# KiCad board RobotLegoController.kicad_pcb (continued)
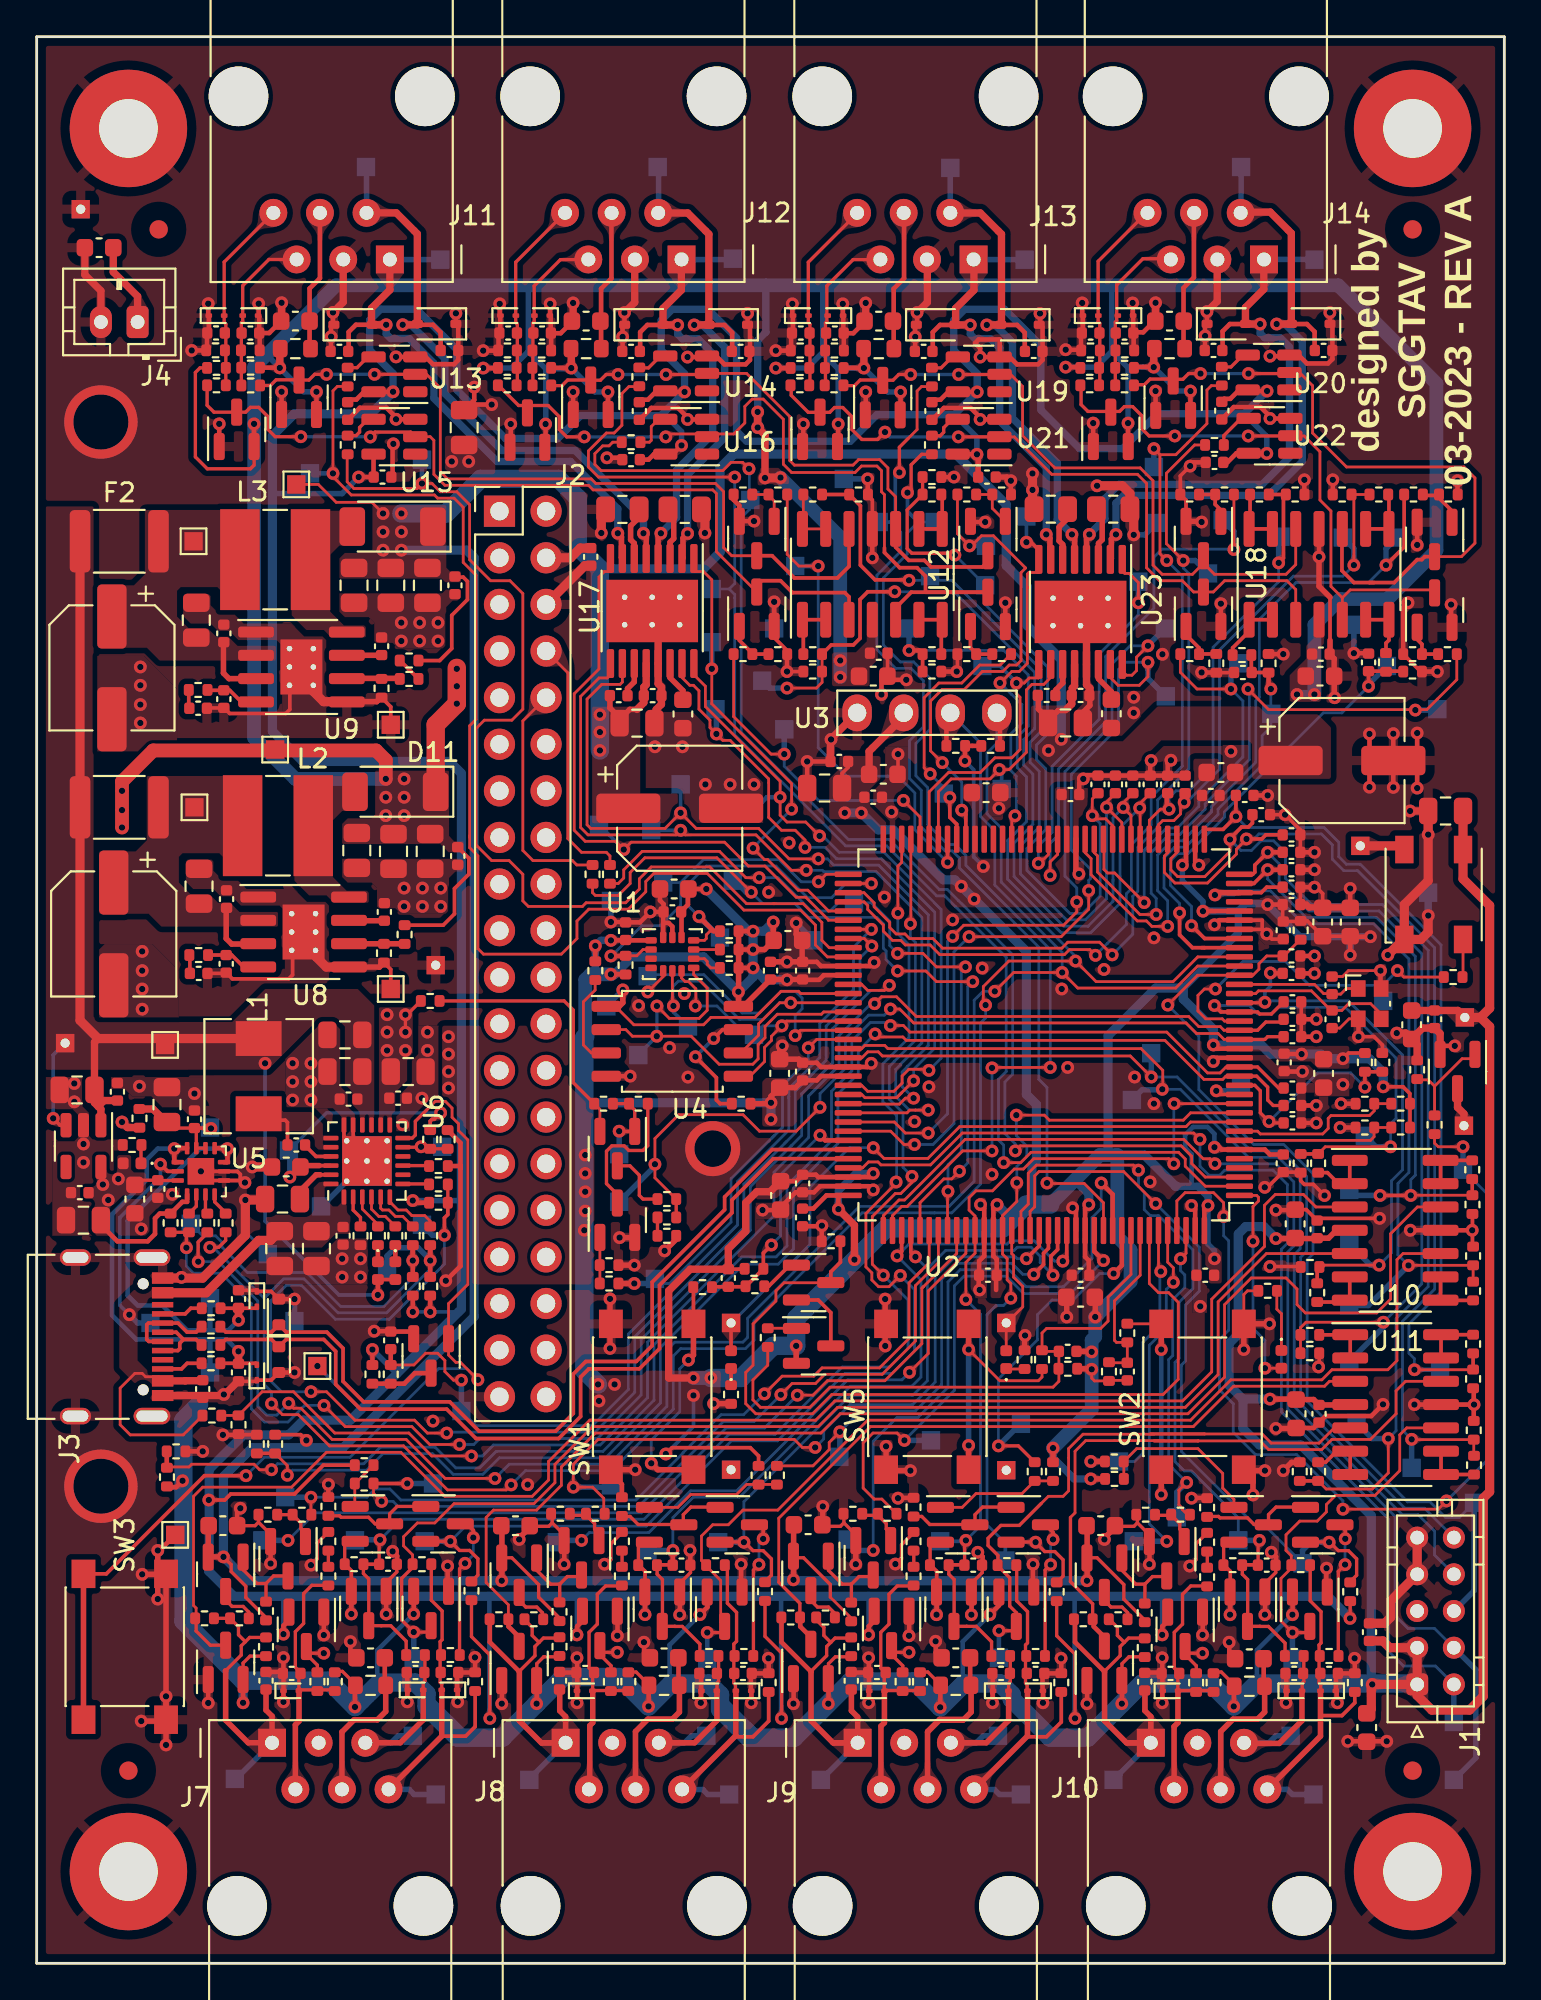
[diagram p0: board, top side]
## Routing (per net, layer and track width the routed paths; a pad name or vN(x,y) marks a point on that pad's centre or on a via; arc(x,y) is an arc through that point) (continued)
  L4 w0.4: v1(43.7,41.1) 43.7,42.1 44.65,43.05 v1(45.6,43.05) ; 71.6,55.95 68.85,55.95 v1(67.1,57.7) 67.05,57.75 65.9,57.75 65.5,57.35 ; 71.6,55.95 v1(71.6,54.95) ; 71.6,55.95 v1(72.7,55.95) ; 62.5,53.15 65.5,56.15 65.5,57.35 ; 30.2,53.9 30.45,54.15 v1(30.45,55.45) 30.75,55.75 v1(31.3,55.75) ; v1(55.4,28.08) 55.4,27.55 56.55,26.4 v1(57.46,26.4) ; v1(19.43,85.65) 19.43,86.65 18.15,87.92 18.15,89.55 18.75,90.15 20.7,90.15 22.9,87.95 22.9,85.75 25.55,83.1 28.4,83.1 29.65,84.35 34.03,84.35 v1(35.32,85.64) 35.32,86.64 34.04,87.91 34.04,89.54 34.64,90.14 36.59,90.14 38.15,88.58 38.15,83.5 38.7,82.95 44.35,82.95 45.8,84.4 50.03,84.4 v1(51.27,85.64) 51.27,86.64 49.99,87.91 49.99,89.54 50.59,90.14 52.54,90.14 52.55,90.15 52.75,90.15 54.74,88.16 54.74,84.66 56.85,82.55 59.2,82.55 61.1,84.45 65.83,84.45 v1(67.07,85.69) ; 62.15,42.35 63.3,42.35 63.85,41.8 v1(63.85,41.3) ; v1(63.57,57.34) 63.58,57.35 65.5,57.35
  L4 w0.5: v1(39.05,54.25) 39.7,53.6 v1(40.9,53.6) ; v1(39.05,54.25) 39.05,53.75 v1(38.25,52.95) 36.35,54.85 32.45,54.85 31.5,53.9 v1(31.3,53.9) ; v1(39.05,54.25) v1(39.05,56.25) ; 62.15,42.35 62.08,42.35 60.38,44.05 58.4,44.05 ; v1(44.05,62.7) v1(44.95,62.7) 45.88,61.78 46.69,61.78 49.42,59.05 50.05,59.05 53.95,55.15 53.95,47.35 54.49,46.81 54.49,43.75 54.25,43.51 54.25,41.65 ; v1(52.35,41.35) 53.07,40.62 53.22,40.62 ; 58.4,44.05 57.92,44.05 ; 58.4,44.05 57.92,44.05 ; 58.4,44.05 58.4,50.55 61,53.15 62.5,53.15 62.5,52.55 64.14,50.91 v1(64.14,50.05) 66.75,50.05 67.25,49.55 v1(68.95,49.55) 70,49.55 70.25,49.3 v1(71.2,49.3) 72.65,49.3 73.4,48.55 v1(73.4,47.77) ; 57.92,44.05 56.58,42.72 57.35,41.95 v1(57.35,41.35) ; v1(71.59,18.8) 70.39,20 10.75,20 9.38,21.37 9.38,22.48 9.4,22.5 9.4,26.92 11.28,28.8 13.74,28.8 14.54,29.6 17.1,29.6 23.15,35.65 23.15,64.85 22.5,65.5 14.5,65.5 12.85,67.15 12.85,83.25 14.05,84.45 18.23,84.45 v1(19.43,85.65) ; v1(40.15,56.75) 39.65,56.25 v1(39.05,56.25) ; v1(40.03,46) v1(40.03,46.9) 29.85,46.9 ; v1(39.05,56.25) 38.8,56.25 v1(36.5,58.55)
  L4 w0.75: 29.9,50.5 29.9,53.6 30.2,53.9 v1(31.3,53.9) ; 55.25,41.35 57.95,44.05 58.9,44.05 58.9,44.05 58.9,39.6 59.63,38.87 59.63,37.15 v1(57.7,35.22) 57.7,34.15 57.51,33.96 v1(57.51,32.37) 57.51,30.19 v1(55.4,28.08) ; v1(35.8,31.9) 38.4,31.9
  L4 w1: 55.25,41.35 53.95,41.35 52.65,40.05 46.3,40.05 41.4,35.15 v1(41.4,33.65) 40.15,33.65 38.4,31.9 v1(36.75,31.9) ; 29.9,50.5 29.85,50.45 29.85,32.3 v1(30.6,31.55)
  vias: v1(3.61,42.44) v1(3.9,41.6) v1(4.45,42.75) v1(22.45,50.5) v1(22.45,49.55) v1(22.45,48.6) v1(22.45,47.7) v1(29.85,39.95) v1(29.9,44.05) v1(29.9,43.05) v1(29.9,42.05) v1(29.9,41) v1(30.65,30.65) v1(31.5,31.55) v1(50.4,58.7) v1(51.1,58)
+4V: length 66.6
  L1 w0.18: 3.45,45.72 U7.1
  L1 w0.2: v1(0.9,46.05) 1.28,45.67 U7.3 ; D9.2 D8.2
  L1 w0.25: 18.6,37.2 18.6,36.43 v1(18.6,36.42)
  L1 w0.4: 3.35,46.7 3.15,46.9 C61.1 3.15,50.2 3.35,50.4 ; 3.35,46.7 3.67,47.02 C62.1 ; 3.35,46.7 3.5,46.55 U7.1
  L1 w0.5: 2.36,78.25 2.36,51.39 3.35,50.4 L1.2
  L4 w0.2: v1(18.6,36.42) 16.48,36.42 12.45,40.45 v1(12.45,49.05) ; v1(0.9,46.05) 0.9,49.5 TP28.1
+5V: length 608.5
  L1 w0.18: 28.51,16.7 27.64,16.7 27.26,16.33 27.26,15.43 ; 59.16,15.43 59.16,16.33 59.54,16.7 60.41,16.7 ; D13.2 11.25,16.36 11.63,16.74 R74.2 ; 43.16,15.43 43.16,16.33 43.54,16.7 44.41,16.7 ; 65.28,15.17 64.57,15.88 64.16,15.88 ; 17.38,15.2 16.66,15.91 16.25,15.91 ; 49.28,15.17 48.57,15.88 48.16,15.88 ; 32.26,15.88 32.68,15.88 33.38,15.17 ; R188.2 8.9,86.95 8.65,86.7 8.65,82.1 9.3,81.45 11.65,81.45 11.85,81.65 D47.2
  L1 w0.2: R59.2 22.16,56.58 22.78,57.19 22.78,58.58 23.56,59.36 23.56,60.22 C72.1
  L1 w0.25: 65.28,15.17 65.26,15.14 65.26,13.93 ; 56.89,86.99 v1(56.09,86.99) ; v1(51.95,19) 52.46,19.51 52.46,20.27 ; v1(17.35,13.97) 17.35,15.17 17.38,15.2 ; R174.2 13.24,86.96 v1(13.25,86.95) ; 7.1,25.95 7.6,25.95 v1(7.95,26.3) ; 27.26,15.43 27.26,14.17 ; 43.16,15.43 43.16,14.17 ; 41.09,86.94 v1(40.29,86.94) ; v1(60.89,86.99) 60.88,87 59.81,87 ; v1(45.09,86.94) 45.08,86.95 44.01,86.95 ; 43.69,82.63 v1(43.69,83.89) ; 28.06,86.95 29.13,86.95 v1(29.14,86.94) ; 59.16,15.43 59.16,14.17 ; 68.46,20.27 68.46,19 ; 49.26,13.93 49.26,15.14 49.28,15.17 ; 47.09,84.38 v1(47.09,85.64) ; 36.56,20.27 36.56,19.41 v1(36.15,19) ; 15.25,84.39 v1(15.25,85.65) ; 25.14,86.94 v1(24.34,86.94) ; 27.74,82.63 v1(27.74,83.89) ; 59.49,82.68 v1(59.49,83.94) ; 31.14,84.38 v1(31.14,85.64) ; 20.55,20.3 v1(20.55,19.04) ; 62.89,84.43 v1(62.89,85.69) ; 11.85,82.64 v1(11.85,83.9) ; 33.36,13.93 33.36,15.14 33.38,15.17 ; D13.2 v1(11.25,14.2)
  L1 w0.3: U11.4 71.58,30.43 C93.1 69.6,30.72 68.65,30.72 68.62,30.75 v1(67.23,30.75) ; U10.4 70.85,39.95 70.42,39.52 C113.1 69.78,39.5 v1(67.55,39.5)
  L1 w0.4: v1(39.3,84.55) v1(39.3,83.7) 39.7,83.3 v1(39.7,80.95) ; R28.2 5.59,45.55 4.95,45.55 v1(4.65,45.85) ; v1(60.89,86.99) 60.89,87.97 ; TP147.1 77.47,51.93 C182.1 74.96,51.93 74.95,51.92 ; v1(13.25,86.95) 13.25,87.92 ; v1(29.14,86.94) 29.14,87.91 ; v1(45.09,86.94) 45.09,87.91
  L1 w0.5: 78.7,51.55 TP147.1 ; 78.7,51.55 79.2,52.05 79.2,57.65 77.75,59.1 D65.3 C57.1 ; 78.7,51.55 79.2,51.05 79.2,25.7 78.85,25.35 78.85,14.55 78.1,13.8 76.05,13.8 75.25,14.6 J1.1 ; C2.1 72.75,13.88 72.75,15.2 J1.1 ; C10.1 29.63,77.13 29.1,76.6 J2.4 27.8,76.57 ; v1(40.55,80.97) 40.52,80.95 v1(39.7,80.95) ; C1.2 73.38,17.57 73.75,17.2 J1.3 J1.1 ; 27.78,79.13 J2.2
  L1 w0.75: v1(4.65,61.9) 4.65,64.4 6.35,66.1 18.5,66.1 19.03,65.57 v1(19.03,64.55)
  L1 w1: 22.9,70.6 v1(22.9,68.65) 21.75,67.5 21.75,63.8
  L3 w1: v1(22.9,68.65) v1(22.9,70.55) 22.9,71.3 23.4,71.8 23.4,81.07 ; 23.4,81.07 23.55,81.22 v1(23.55,81.85) v1(22.62,81.85) 23.4,81.07 ; 23.4,81.07 23.57,80.9 27.21,80.9 27.77,80.34 J2.2 J2.4
  L4 w0.2: 7.2,25.9 8,25.9
  L4 w0.25: 34.5,15.15 34.5,17.35 v1(36.15,19) ; 50.48,15.15 50.48,17.53 v1(51.95,19) ; 18.56,15.2 18.56,17.05 v1(20.55,19.04) ; v1(68.45,19) 66.51,17.06 66.51,15.2
  L4 w0.3: 27.75,86.9 27.75,83.9 v1(27.74,83.89) ; 27.75,86.9 26.8,87.85 ; 27.75,86.9 29.1,86.9 v1(29.14,86.94) 30.44,85.64 v1(31.14,85.64) ; 26.8,87.85 26.8,91.53 ; 26.8,87.85 25.89,86.94 v1(24.34,86.94) ; v1(47.09,85.64) 46.39,85.64 v1(45.09,86.94) 43.74,86.94 43.69,86.89 ; v1(62.89,85.69) 62.19,85.69 v1(60.89,86.99) 59.46,86.99 ; v1(59.49,83.94) 59.49,86.96 59.46,86.99 ; 43.69,86.89 v1(43.69,83.89) ; 43.69,86.89 42.85,87.73 42.85,87.8 ; 12.58,87.72 12.58,87.62 v1(13.25,86.95) 14.55,85.65 v1(15.25,85.65) ; v1(56.09,86.99) 57.74,86.99 58.6,87.85 ; 42.85,87.8 41.99,86.94 v1(40.29,86.94) ; 42.85,87.8 42.85,91.53 ; 59.46,86.99 58.6,87.85 ; 58.6,87.85 58.6,91.53
  L4 w0.4: 39.75,91.45 39.75,88.9 39.3,88.45 v1(39.3,83.7)
  L4 w0.5: 27.26,14.17 27.26,14.16 28.47,15.36 31.93,15.36 33.36,13.93 ; 68.45,18.99 68.46,19 ; 22.49,13.24 23.29,12.45 25.55,12.45 v1(27.25,14.15) ; 72.75,15.2 66.51,15.2 ; 72.75,15.2 72.75,24.4 68.9,28.25 66.65,28.25 65.75,29.15 65.75,30.75 ; 72.75,15.2 J1.1 ; 23.19,12.55 20.54,15.2 18.56,15.2 17.35,13.99 v1(17.35,13.97) ; 38.77,12.92 39.24,12.45 41.45,12.45 v1(43.15,14.15) ; 39.19,12.5 36.54,15.15 34.5,15.15 v1(33.35,14) ; 65.75,30.75 v1(67.23,30.75) ; 65.75,30.75 65,31.5 65,33.78 65.5,34.28 65.5,39.75 65.9,40.15 66.9,40.15 v1(67.55,39.5) ; v1(11.25,14.2) 11.25,15.4 ; 43.16,14.17 44.36,15.36 47.83,15.36 49.26,13.93 50.48,15.15 52.45,15.15 55.1,12.5 57.5,12.5 v1(59.15,14.15) ; v1(69.65,69.15) v1(68.7,69.15) ; 67,15.2 66.45,15.2 v1(65.25,14) 63.88,15.36 60.36,15.36 59.16,14.17
  L4 w0.75: v1(19.03,64.55) 14.1,64.55 11.85,66.8 v1(11.85,83.9) 11.85,86.98 16.32,91.45 70.95,91.45 76.3,86.1 76.3,77.01 73.64,74.35 71.05,74.35 69.65,72.95 v1(69.65,69.15) ; v1(43.8,70.1) v1(43.8,71) 43.8,77.72 v1(40.55,80.97)
  L4 w1: 8.85,30.45 8,29.6 8,18.65 11.25,15.4 15.92,15.4 v1(17.35,13.97) 18.68,15.3 20.63,15.3 21.25,14.68 21.25,14 22.95,12.3 25.4,12.3 v1(27.25,14.15) 28.7,15.6 31.75,15.6 v1(33.35,14) 34.6,15.25 36.63,15.25 37.25,14.63 37.25,13.85 38.8,12.3 41.29,12.3 44.36,15.36 47.84,15.36 v1(49.25,13.95) 50.55,15.25 52.53,15.25 53.15,14.63 53.15,14.4 55.25,12.3 57.3,12.3 v1(59.15,14.15) 60.25,15.25 64,15.25 v1(65.25,14) 66.5,15.25 75.2,15.25 J1.1
  vias: v1(4.65,63.9) v1(4.65,62.85) v1(19.03,63.55) v1(19.03,62.55) v1(20.03,64.55) v1(20.03,63.55) v1(20.03,62.55) v1(22.9,69.6) v1(72.8,15.2)
+9V: length 242
  L1 w0.15: 44.41,18.8 43.26,19.95 ; v1(18.88,79.02) 18.27,79.62 16.32,79.62 15.35,80.6 TP43.1
  L1 w0.18: 25.36,22.1 25.9,22.1 27.36,20.64 27.36,19.95 28.51,18.8 28.51,18.7 ; 12.5,18.74 12.5,18.84 11.4,19.94 11.4,20.55 10.6,21.35 10.6,21.73 v1(10.18,22.15) ; 43.26,19.95 43.26,20.64 41.8,22.1 41.26,22.1 ; 57.26,22.1 57.8,22.1 59.26,20.64 59.26,19.85 60.4,18.71 R127.2 ; 9.89,22.14 Q5.2 ; 44.41,18.7 44.41,18.8
  L1 w0.2: 22.8,75.55 23.25,75.55 23.48,75.31 23.48,74.32 22.62,73.47 22.62,71.66 21.97,71 R60.2 ; v1(14.7,28.5) 14.39,28.81 R67.2
  L1 w0.3: Q5.2 9.36,22.15 v1(10.18,22.15) ; C150.1 31.25,68.42 31.78,67.89 C147.1 31.78,67.79 32.32,68.34 32.72,68.34 ; 25.36,22.11 25.36,20.85 ; 54.6,69.03 54.6,68.36 55.13,67.83 55.13,67.53 55.13,67.72 55.68,68.28 56.08,68.28 56.45,68.64 56.45,69.5 56.58,69.62 56.58,70.78 ; 25.38,23.81 25.36,23.79 25.36,22.2 ; 57.26,22.2 57.26,23.79 57.28,23.81 ; 41.28,23.81 41.26,23.79 41.26,22.2 ; 57.26,22.11 57.26,20.85 ; 9.35,22.24 9.35,23.83 C90.1 ; 41.26,22.11 41.26,20.85
  L1 w0.4: 56.17,68.38 56.42,68.63 C171.1 56.45,69.13 56.45,69.5 56.57,69.62 U23.12 ; 32.72,68.34 33.09,68.71 C146.1 33.09,69.56 33.22,69.69 33.22,70.84
  L4 w0.5: v1(19.88,77.02) 23.44,77.02 23.85,76.6 23.85,35.25 16.7,28.1 11.75,28.1 10.18,26.53 v1(10.18,22.15) 11.48,20.85 v1(25.35,20.85) 41.2,20.85 v1(41.25,20.9) 41.3,20.85 v1(57.25,20.85) ; v1(55.85,66.71) 55.85,71.05 54,72.9 54,75.03 52.85,76.17 52.85,79.5 50.1,82.25 38,82.25 37.25,81.5 37.25,76.9 36.35,76 30.7,76
  L4 w1: v1(19.88,79.02) 22.31,79.02 24.2,80.9 28.45,80.9 29.5,79.85 29.5,77.2 30.7,76 v1(30.7,66.1)
  vias: v1(18.88,78.02) v1(18.88,77.02) v1(19.88,78.02) v1(30.7,68.05) v1(30.7,67.1) v1(55.15,66.1)
GND: length 595.2
  L1 w0.15: v1(73.25,54.1) 71.5,54.1 71.18,53.78 C21.2 ; C22.2 71.03,50.97 71.54,51.47 Y2.2 ; 69.82,50.57 v1(69.75,50.5) ; R24.1 66,36.65 65.8,36.45 SW2.1 ; C133.2 C139.2 ; 68.88,37.97 R122.2
  L1 w0.18: 44,24 44,24.42 ; 44,24 44.66,23.34 44.66,22.95 ; 44,24 43.81,23.81 42.84,23.81 ; 31.91,23.47 31.3,22.86 31.3,22 30.96,21.67 ; 60,24 59.81,23.81 58.84,23.81 ; 60,24 60,24.42 ; 60,24 60.66,23.34 60.66,22.95 ; 35.64,21.72 35.64,21.3 35.06,20.72 35.06,20.24 ; 63.81,23.47 63.2,22.86 63.2,22 62.86,21.67 ; 28.1,24 28.1,24.42 ; 28.1,24 27.91,23.81 26.94,23.81 ; 28.1,24 28.76,23.34 28.76,22.95 ; 12.09,24.04 11.9,23.85 C90.2 ; 12.09,24.04 R82.1 ; 12.09,24.04 12.75,23.38 Q7.2 ; 67.54,21.72 67.54,21.3 66.96,20.72 66.96,20.24 ; v1(46.81,21.76) 47.14,22.09 47.14,22.81 47.81,23.47 ; 50.96,20.24 50.96,20.72 51.54,21.3 51.54,21.72 ; 2.57,45.66 U7.2 ; v1(14.95,21.7) 15.29,22.04 15.29,22.9 R94.1 ; C103.2 19.63,21.33 19.05,20.75 D19.1
  L1 w0.2: R200.1 40.91,71.54 40.2,72.25 Q31.2 ; v1(46.95,65.9) 46.95,64.83 C35.2 ; 66.8,56.35 67.33,55.82 C18.1 ; 66.8,56.35 66.8,56.85 U2.31 ; 66.8,56.35 U2.30 ; C165.2 70.72,71.11 ; C163.2 65.26,70.34 R235.1 64.29,70.33 ; C141.1 46.38,70.16 C140.2 ; C117.2 C129.2 68.88,61.77 v1(68.05,62.6) C128.2 ; 70.5,72.1 70.5,74.45 ; 66.33,63.47 C118.2 ; R89.2 78.26,39.1 R123.2 ; 17.25,45.78 17.25,44.56 18,43.81 16.75,45.06 16.75,45.78 ; v1(50.15,70.4) 50.19,70.44 R201.1 ; v1(69.65,58.65) 69.75,58.65 70.1,58.3 C16.2 ; R62.1 19.3,54.17 TP44.1 ; v1(69.87,32.5) 69.91,32.54 R138.2 ; C58.2 C86.2 C97.2 ; U12.11 45.55,79.75 45.31,79.99 R182.2 ; v1(73.2,40.6) 69.92,40.6 C113.2 69.21,41.08 C112.1 ; v1(67.23,37.97) 68.88,37.97 ; R71.1 11.03,28.81 R70.1 ; 9.16,68.42 10.14,68.42 10.18,68.45 10.52,68.11 13.58,68.11 13.8,68.33 13.8,69.67 ; C48.2 11.94,36.68 D7.1 12.78,36.62 D5.2 ; C47.2 11.94,31.72 D6.1 12.78,31.78 D4.2 ; v1(66.94,42.29) 67.09,42.29 67.92,43.12 C23.1 68.87,43.12 R88.2 68.9,42.65 69.1,42.45 69.59,42.45 v1(70.2,41.84) ; R73.1 73.35,50.05 72.9,50.5 v1(72.05,50.5) ; R236.1 75.44,70.4 R232.2 ; Q33.2 62.65,79.74 R221.1 62.34,81.06 v1(62.88,81.6) ; TP45.1 19.3,68.48 R65.1 ; 13.95,55.2 13.95,53.87 13.73,53.65 10.67,53.65 C82.2 10.29,53.95 C84.2 ; C109.2 C15.2 ; R196.2 v1(40.9,70.4) ; 11.1,42.8 v1(11.35,42.55) 11.24,42.66 U5.8 9.45,42.66 v1(8.95,43.16) U5.9 10.94,43.16 11.1,43 11.1,42.8
  L1 w0.25: Q37.2 20.55,34.26 20.38,34.43 C46.2 ; 57.02,89.84 57.02,88.98 56.92,88.88 56.92,87.95 ; 38.93,14.86 38.93,15.75 38.99,15.81 ; 52.49,84.14 v1(51.43,84.14) 51.43,84.25 50.91,84.77 49.45,84.77 48.8,84.11 48.79,84.11 ; C39.1 v1(42,65.5) C40.2 ; v1(78.35,30.45) U11.11 v1(75.1,30.45) ; 13.35,89.53 C132.1 12.68,88.85 C130.2 ; R119.1 31.9,26.11 31.3,26.71 SW1.1 ; 28.76,23.02 28.76,21.75 ; 20.65,87.55 v1(19.59,87.55) ; 22.4,20.32 22.4,21.58 ; 34.15,56.7 34.45,56.7 34.65,56.5 U1.6 ; 34.15,56.7 34.15,57.28 C5.2 ; 34.15,56.7 U1.7 ; 65.55,49.35 64.34,49.35 v1(64.14,49.15) ; 13.45,15.88 v1(13.45,16.66) ; 61.36,14.86 61.36,15.78 61.3,15.84 60.41,15.84 ; 38.88,89.17 38.88,87.38 38.65,87.15 ; 71.85,15.82 71.85,16.6 ; 19.05,20.3 v1(19.05,19.04) ; 54.3,20.22 54.3,21.48 ; 40.2,72.62 v1(40.2,74.2) ; R116.2 23.89,15.85 C106.2 22.92,15.79 D25.1 ; R168.2 71.84,15.8 C127.2 ; 47.99,89.29 47.88,89.19 47.88,87.84 ; 41.79,82.63 v1(41.79,83.89) ; R118.2 39.89,15.8 C107.2 ; 57.26,15.42 57.26,14.15 ; 36.54,84.14 v1(35.48,84.14) 35.48,84.25 34.96,84.77 33.5,84.77 32.85,84.11 32.84,84.11 ; v1(50.15,70.4) R197.2 ; 12.75,23.05 v1(12.75,21.79) ; R180.1 12.15,88.83 C130.2 ; 25.84,82.63 v1(25.84,83.89) ; U4.4 31.06,48.35 v1(32.35,48.35) ; C28.1 42.52,54.58 42.75,54.35 U2.83 45.45,54.35 v1(45.65,54.55) ; 43.91,89.79 43.97,89.73 43.97,88.84 ; v1(22.3,37.2) 23.1,38 23.1,43.31 ; 23.9,15.87 23.9,16.65 ; 13.45,14.9 v1(13.45,14.25) ; 68.05,48.6 68.99,48.6 v1(68.99,48.6) ; 43.94,89.79 v1(43.94,90.44) ; 28.04,87.9 28.04,88.82 28.02,88.84 ; 52.11,14.72 52.11,15.78 ; 52.11,14.72 52.11,14.86 ; 52.11,14.72 52.11,14.22 ; 68.28,87.59 68.84,87.59 69.24,87.19 70.39,87.19 ; 68.85,58.65 v1(69.65,58.65) ; 13.35,84.39 v1(13.35,85.65) ; 33.11,17.5 33.11,16.94 33.44,16.61 ; v1(45.6,42.15) 45.4,42.35 44.19,42.35 ; C130.2 12.13,89.74 D41.1 ; 45.19,84.38 v1(45.19,85.64) ; 38.64,87.14 37.49,87.14 37.09,87.54 36.53,87.54 ; 54.59,87.14 53.44,87.14 53.04,87.54 52.48,87.54 ; v1(71.8,71.4) 72.6,71.4 ; 9.25,87.9 v1(8.45,87.9) ; 16.15,89.3 16.04,89.19 16.04,87.85 ; 13.45,14.9 13.45,15.82 13.39,15.88 C95.2 ; 28.51,15.84 29.4,15.84 29.46,15.78 29.46,14.86 ; 60.99,89.56 60.31,88.89 59.77,88.89 ; v1(24.8,84.95) 23.6,84.95 C9.2 23.85,85.2 v1(23.85,85.9) ; 32.04,89.31 v1(32.04,89.97) ; v1(31.08,82.05) 31.8,82.05 31.9,81.95 ; 68.85,59.6 v1(69.65,59.6) ; v1(63.5,70.35) 64.3,70.35 ; 71.9,46.85 v1(71.1,46.85) ; 20.2,14.75 v1(20.2,14.25) ; 20.2,14.75 20.2,14.9 ; 20.2,14.75 20.2,15.82 ; 15.9,25.4 v1(15.9,26.1) ; R72.1 v1(9.05,27.9) ; 59.71,89.84 59.77,89.78 59.77,88.89 ; C105.2 35.63,22.48 v1(35.61,22.5) ; 65.34,16.61 65.01,16.94 65.01,17.5 ; 38.75,89.28 v1(38.75,89.92) ; C112.1 68.57,41.05 v1(67.55,41.05) ; v1(76.35,70.4) 75.55,70.4 ; 55.85,15.82 55.85,16.6 ; 61.36,15.84 61.36,16.63 ; 41.22,89.79 41.22,88.93 41.12,88.83 41.12,87.9 ; 27.99,89.79 v1(27.99,90.44) ; 68.95,45.8 v1(69.75,45.8) ; C5.2 v1(33.45,57.3) 32.88,56.73 C4.2 ; C5.2 34.17,57.73 33.97,57.92 C3.2 ; 59.77,88.89 59.79,88.87 59.79,87.95 ; v1(50,81) 49.3,81 ; C165.2 70.75,70.12 v1(70.75,68.98) ; 68.29,87.59 v1(67.23,87.59) ; 32.1,56.75 v1(31.3,56.75) ; 22.85,89.3 22.98,89.17 C151.2 22.98,87.38 22.75,87.15 21.6,87.15 21.2,87.55 U13.3 ; 43.97,88.84 44.51,88.84 45.19,89.52 ; 43.97,88.84 43.99,88.82 43.99,87.9 ; 72.05,51.5 v1(72.05,50.5) ; 62.6,64.63 62.5,64.73 C134.2 ; 63.79,25.36 62.93,25.36 ; v1(45.3,80.9) 45.3,80.06 R182.2 ; v1(64.2,56.6) 64.45,56.85 U2.31 ; 41.26,15.42 41.26,14.15 ; 75.25,65.79 v1(75.25,67.05) ; 70.4,87.2 70.63,87.43 70.63,89.22 ; 22.4,43.45 23.05,43.45 23.1,43.5 23.1,43.31 ; 19.4,81.1 19.4,82.77 v1(19.44,82.81) ; 23.1,43.31 23.1,44.71 R57.1 ; C26.1 56.83,64.33 v1(57.05,64.55) 57.25,64.75 57.85,64.75 ; 70.89,15.81 70.83,15.75 70.83,14.86 ; 54.7,89.28 54.7,89.92 ; R236.1 74.49,73.89 v1(74.75,74.15) ; 29.46,14.86 29.46,14.22 ; 63.69,87.89 63.69,89.23 63.79,89.34 ; 27.96,89.79 28.02,89.73 28.02,88.84 ; C12.1 42.52,49.08 42.75,48.85 U2.94 ; 56.89,87.94 v1(56.09,87.94) ; 22.85,89.28 v1(22.85,89.92) ; 36.21,14.72 36.21,15.78 ; 36.21,14.72 36.21,14.22 ; 36.21,14.72 36.21,14.86 ; v1(39.1,78.6) 38.3,78.6 ; R173.2 78.33,31.31 R139.2 ; 19.25,34.45 v1(18.4,34.45) ; D4.2 v1(14.05,32.2) ; 19.65,21.75 19.65,22.2 v1(19.4,22.45) ; 16.15,89.33 v1(16.15,89.97) ; 47.79,25.36 46.93,25.36 ; 25.27,89.79 25.27,88.93 25.17,88.83 25.17,87.9 ; v1(39.56,41.05) 40.53,41.05 40.55,41.08 40.55,41.2 41.37,42.02 C20.1 42.37,42.02 42.7,42.35 U2.107 ; 38.4,20.27 v1(38.4,21.75) ; 51.56,21.72 51.56,22.17 51.31,22.42 ; 52.8,72.83 v1(52.8,74.15) ; 70.3,20.27 70.3,21.53 ; 63.56,19.11 63.56,17.85 ; 76.5,39.95 v1(78.25,39.95) ; 44.15,48.85 45.29,48.85 v1(45.49,49.05) ; 25.36,15.42 25.36,14.15 ; 68.11,14.72 68.11,14.22 ; 68.11,14.72 68.11,15.78 ; 68.11,14.72 68.11,14.86 ; C92.1 69.6,29.17 C93.2 70.25,29.83 72.75,29.83 v1(73.39,30.46) ; 59.74,89.84 v1(59.74,90.49) ; 47.56,19.11 47.56,17.85 ; 77.1,72.79 v1(77.1,74.05) ; C29.1 42.77,40.17 v1(42.8,40.2) 42.79,40.19 R16.2 ; U2.38 63.15,60.05 v1(63.35,59.85) ; 75.25,78.56 v1(75.25,77.3) ; 50.96,20.27 50.96,19 ; 66.3,63.65 v1(67.1,63.65) ; 68.95,46.75 v1(69.75,46.75) ; 73.95,65.35 v1(73.95,64.09) ; 25.14,87.89 v1(24.34,87.89) ; 73.95,65.75 v1(73.95,67.01) ; C158.2 61.65,65.39 v1(61.83,65.57) ; R218.2 v1(70.65,80.85) ; 68.85,54.9 v1(69.65,54.9) ; 35.06,20.27 35.06,19 ; v1(17.1,17.53) 17.1,16.97 C94.1 ; 54.86,14.86 54.86,14.22 ; 9.95,82.64 v1(9.95,83.9) ; 47.99,89.31 v1(47.99,89.97) ; 69.1,80.05 v1(69.1,80.85) ; 45.36,14.86 45.36,14.22 ; v1(56.47,41.18) 56.65,40.99 U2.130 ; 63.15,39.89 63.15,41.1 v1(62.95,41.3) ; 54.89,15.81 54.83,15.75 54.83,14.86 ; 29.24,84.38 v1(29.24,85.64) ; 12.1,89.8 v1(12.1,90.45) ; 29.24,89.52 28.56,88.84 28.02,88.84 ; 49.01,17.5 49.01,16.94 49.34,16.61 ; v1(74.88,39.95) 76.43,39.95 ; 70.86,14.86 70.86,14.22 ; v1(47.4,69.95) 46.38,69.95 ; 15.65,19.15 v1(15.65,17.89) ; 11,28.8 v1(10.15,28.8) ; 75.25,65.31 v1(75.25,64.05) ; 22.95,14.9 v1(22.95,14.25) ; 29.46,15.84 29.46,16.63 ; Q29.2 38.3,79.45 37.99,79.76 R186.1 ; 32.04,89.29 31.94,89.19 31.94,87.84 ; 72.65,65.74 v1(72.65,67) ; 77.45,80 v1(77.45,80.8) ; 73.25,53.1 v1(73.25,54.1) ; v1(53.1,80.8) 53.1,80 ; v1(51.4,36.7) 51.35,36.75 51.35,37.53 ; 63.79,89.37 v1(63.79,90.02) ; 60.66,23.02 60.66,21.75 ; v1(67.95,71.35) 67.15,71.35 ; C90.2 10.93,24.62 v1(11.1,24.8) ; v1(51.45,41.35) 51.65,41.15 U2.120 51.65,38.55 51.37,38.27 C31.1 ; R166.2 55.84,15.8 C126.2 ; 45.36,15.84 45.36,16.63 ; TP39.1 6.7,22.5 v1(6.6,22.5) ; 36.54,87.54 v1(35.48,87.54) ; 60.7,64.65 60.7,65.5 v1(60.75,65.55) ; 71.6,57.55 v1(71.6,58.58) ; v1(73.59,12.1) v1(71.47,12.1) ; 9.28,87.91 9.28,88.84 C136.2 9.38,88.94 D45.1 ; 70.5,89.33 70.5,89.97 ; D5.2 v1(14.05,36.2) ; 38.96,14.86 38.96,14.22 ; 61.36,14.86 61.36,14.22 ; 76.5,50 v1(77.3,50) ; C144.2 16.96,84.12 17.61,84.78 19.07,84.78 19.59,84.26 v1(19.59,84.15) 20.65,84.15 ; 57.59,82.68 v1(57.59,83.94) ; 45.36,14.86 45.36,15.78 45.3,15.84 44.41,15.84 ; 54.83,89.17 54.83,87.38 54.6,87.15 ; 56.99,89.84 v1(56.99,90.49) ; 31.66,19.11 31.66,17.85 ; 9.35,89.8 v1(9.35,90.45) ; U19.3 52.5,87.56 52.5,88.5 51.35,88.5 51.15,88.3 51.43,88.02 v1(51.43,87.54) 52.49,87.54 ; 69.9,77.91 v1(69.9,76.65) ; C168.2 63.07,81.8 v1(62.88,81.6) ; 64.59,84.16 64.6,84.16 65.25,84.81 66.71,84.81 67.23,84.3 v1(67.23,84.19) 68.29,84.19 ; 41.09,87.89 v1(40.29,87.89) ; 64.55,72.84 v1(64.55,74.1) ; 9.35,15.45 v1(9.35,14.19) ; 60.99,84.43 v1(60.99,85.69) ; 67.31,22.42 67.56,22.17 67.56,21.72 ; v1(51.7,78.55) 50.9,78.55 ; 68.85,60.55 v1(69.65,60.55) ; U12.11 v1(45.55,76.6) ; 66.96,20.27 66.96,19 ; v1(40.9,70.4) 40.9,71.35 ; 39.9,15.82 39.9,16.6 ; 68.95,50.5 v1(69.75,50.5) ; v1(46.05,69.15) 46.05,70.22 ; 68.95,51.45 v1(69.75,51.45) ; 72.65,65.36 v1(72.65,64.1) ; 71.85,45.55 v1(71.05,45.55) ; 25.24,89.79 v1(25.24,90.44) ; 68.85,53.95 v1(69.65,53.95) ; 41.19,89.79 v1(41.19,90.44)
  L1 w0.3: v1(53.1,80.8) 52.9,81 C167.2 ; 70.5,74.45 69.9,75.05 v1(69.9,76.65) ; 7.05,13.23 v1(7.05,11.9) ; 66.3,26.85 v1(66.3,25.52) ; v1(67.55,29.15) 68.68,29.15 ; 17.07,54.3 18.69,54.3 R62.1 ; 46.25,34.9 46.25,33.65 v1(46.25,33.65) ; SW3.1 SW3.1 ; Q33.2 63.46,78.59 v1(63.5,78.55) ; R23.1 53.85,34.19 v1(53.88,34.22) ; 65.77,26.85 v1(66.95,26.85) ; Q19.2 v1(44.65,21.75) ; 68.9,27.3 68.4,27.3 v1(67.95,26.85) ; 38.99,14.25 38.96,14.22 ; 58.13,23.11 58.84,23.81 ; 31.25,33.54 31.25,34.86 ; 46.25,36.18 46.25,34.85 ; 70.5,72.1 70.5,71.37 C166.1 70.72,71.11 70.72,69 v1(70.75,68.98) ; 7.08,21.2 v1(5.75,21.2) ; v1(41.4,56.7) 41.4,56.08 C37.2 41.72,54.61 C28.1 C38.2 ; 6.6,21.18 v1(6.6,19.85) ; v1(67.2,34.85) SW2.1 v1(65.8,33.45) ; v1(36.9,30.5) 37.9,30.5 ; 22.98,14.28 v1(22.95,14.25) ; 58.23,23.1 58.23,23.11 ; 70.89,14.25 70.86,14.22 ; 18.78,69 18.53,68.76 16.93,68.76 ; v1(34.23,38.83) 34.87,39.47 34.87,39.65 ; v1(32.58,38.05) 31.72,38.05 ; U2.51 56.65,59.53 v1(56.81,59.37) ; v1(47.63,26.85) 46.3,26.85 v1(46.3,28.18) ; v1(40.64,50) 40.5,49.86 C11.2 41.56,49.28 C12.1 ; 57.03,67.53 57.03,68.17 57.41,68.56 57.41,69.5 57.23,69.67 57.23,70.78 ; 7.05,13.22 v1(7.05,14.55) ; v1(31.25,36.21) 31.25,34.89 ; 42.85,23.85 v1(42.85,24.9) ; 26.33,23.1 26.33,23.11 ; 7.03,13.2 v1(5.7,13.2) ; 54.89,14.25 54.86,14.22 ; 26.23,23.11 26.94,23.81 ; v1(31.77,39.55) 32.63,39.55 ; 6.6,21.17 v1(6.6,22.5) ; 56.15,36.33 v1(56.15,35.22) ; SW1.1 v1(32.63,26.9)
  L1 w0.35: C17.2 71.57,57.55 69.35,57.55 69.2,57.7 C15.2
  L1 w0.4: v1(60.99,90.5) 60.99,89.56 ; C39.1 43.27,66.7 U3.1 ; v1(63.79,90.02) 64.35,90.58 64.35,92.9 ; R154.1 75.25,50.08 C181.1 ; D65.1 74.55,57.1 74.55,57.1 ; C171.2 57.41,69.13 57.41,69.5 57.22,69.68 U23.13 57.22,73.33 U23.17 ; C181.1 75.54,50.97 C182.2 76.5,50.67 Q13.2 ; C181.1 74.63,50.7 v1(74.14,50.7) ; v1(75.85,61.51) C57.2 v1(74.86,62.8) ; v1(47.99,89.97) 48.55,90.53 48.55,92.85 ; v1(16.15,89.97) 16.71,90.53 J11.3 ; J3.A12 10.19,30.94 10.97,31.72 C47.2 ; C53.2 2.62,92.03 3.5,91.15 J4.2 ; v1(32.04,89.97) 32.6,90.53 32.6,92.85 ; U17.17 33.88,73.38 U17.13 33.88,69.74 34.06,69.56 34.06,68.62 33.77,68.33 33.77,67.68 33.68,67.59 ; v1(45.19,90.49) 45.19,89.52 ; v1(29.24,90.49) 29.24,89.52 ; v1(13.35,90.5) 13.35,89.53
  L1 w0.5: 17.07,54.3 15.78,54.3 15.25,54.83 15.25,55.2 ; v1(75.85,57.1) 75.85,57.1 75.85,56.2 75.45,55.8 D65.1 ; J1.9 J1.7 73.8,19.75 73.8,18.85 73.48,18.53 C1.1 ; R243.1 54.28,79.34 v1(54.28,81.2) ; v1(30.78,77.95) 30.78,79 R208.1 ; v1(57.8,80.53) 59.17,80.53 59.59,80.11 R242.1 59.8,79.04 v1(59.8,77.85) ; J3.A1 9.04,37.34 11.38,39.67 v1(11.38,41.6) 12.45,41.6 ; 16.93,68.76 15.63,68.76 15.1,69.3 15.1,69.67 ; C57.2 75.85,59 74.55,57.7 D65.1 ; D65.1 74.5,55.8 v1(73.65,54.95) ; C10.2 29.88,76.17 J2.6 ; v1(36.43,77.95) 36.43,79.05 R207.1 ; v1(11.75,43.4) C60.2
  L4 w0.15: TP22.1 11.38,39.88 v1(11.38,41.6)
  L4 w0.2: 15.5,41.22 U6.25
  L4 w0.3: v1(41.4,56.7) TP14.1 ; v1(14.05,36.2) 14.05,35 TP84.1 ; TP31.1 15.53,41.25 U6.25 ; v1(45.3,80.9) TP142.1 ; TP141.1 60.4,77.85 v1(59.8,77.85) ; v1(40.2,74.2) TP143.1 ; v1(71.8,71.4) TP140.1 ; v1(31.3,56.75) TP85.1
  L4 w0.4: v1(75.85,57.1) 75.85,57.11 TP148.1
  vias: v1(2.05,47.95) v1(2.05,46.95) v1(2.55,44.65) v1(2.55,43.65) v1(5.6,47.8) v1(5.65,70.65) v1(5.65,69.65) v1(5.65,68.6) v1(5.65,67.6) v1(5.7,40.02) v1(5.75,55.15) v1(5.75,54.1) v1(5.75,53.1) v1(5.75,52) v1(7.39,41.91) v1(7.89,37.38) v1(8.6,47.4) v1(10.2,31) v1(13.95,49.05) v1(13.95,48.05) v1(13.95,47.05) v1(14.95,49.05) v1(14.95,48.05) v1(14.95,47.05) v1(16.05,88.65) v1(16.65,38.4) v1(16.65,37.4) v1(17.65,38.4) v1(17.65,37.4) v1(19.88,73.06) v1(19.88,72.06) v1(19.95,45.7) v1(20.03,58.6) v1(20.03,57.6) v1(20.88,73.06) v1(20.88,72.06) v1(21.03,58.6) v1(21.03,57.6) v1(21,47.15) v1(21.3,50.75) v1(21.3,49.75) v1(21.6,29.55) v1(21.88,73.06) v1(21.88,72.06) v1(22.03,58.6) v1(22.03,57.6) v1(22.4,21.65) v1(23.89,16.67) v1(25.35,14.15) v1(26.3,23.1) v1(26.76,26.09) v1(28.75,21.75) v1(29.45,16.65) v1(29.45,14.2) v1(30.95,21.75) v1(31.25,33.51) v1(31.65,17.85) v1(31.94,88.64) v1(32.81,52.19) v1(33.1,17.5) v1(33.7,66.3) v1(34.5,49.9) v1(35.05,19) v1(35.2,66.3) v1(35.31,52.85) v1(35.5,48.3) v1(36.2,14.2) v1(36.45,64.25) v1(37.8,64.25) v1(38.95,14.2) v1(39.1,64.25) v1(39.9,58.37) v1(39.89,16.62) v1(40.9,54.58) v1(41.02,61.07) v1(41.25,14.15) v1(43.3,66.7) v1(45.35,16.65) v1(45.35,14.2) v1(46.21,58.11) v1(46.25,36.2) v1(46.6,62.75) v1(46.95,25.35) v1(47.55,17.85) v1(47.85,45.87) v1(47.89,88.64) v1(48.64,47.77) v1(49,17.55) v1(49.92,56.87) v1(50.95,19) v1(51.3,22.4) v1(51.54,54.24) v1(52.07,43) v1(52.1,14.2) v1(52.45,62.95) v1(54.28,80.3) v1(54.31,21.75) v1(54.69,89.91) v1(54.85,14.2) v1(55.84,16.62) v1(55.87,53.1) v1(56.2,48.83) v1(57.25,14.15) v1(58.18,54.17) v1(58.2,23.1) v1(59.8,69) v1(59.8,68.15) v1(59.85,48.3) v1(60.69,42.59) v1(60.65,21.75) v1(60.9,55.89) v1(60.9,46.85) v1(61.35,16.65) v1(61.35,14.2) v1(61.36,71.34) v1(62.85,21.65) v1(62.95,25.35) v1(63.43,35.8) v1(63.55,17.9) v1(63.69,88.69) v1(65,17.5) v1(65.1,66.05) v1(66.95,19) v1(67.05,56.1) v1(67.3,22.4) v1(68.1,14.2) v1(70.31,21.53) v1(70.49,89.97) v1(70.9,14.2) v1(71.2,47.9) v1(71.84,16.62) v2(3.5,84) v2(3.5,26) v3(36.85,44.4)
